# Allegro board OE19_pdb_1v01_b_0704_1000_customer.brd
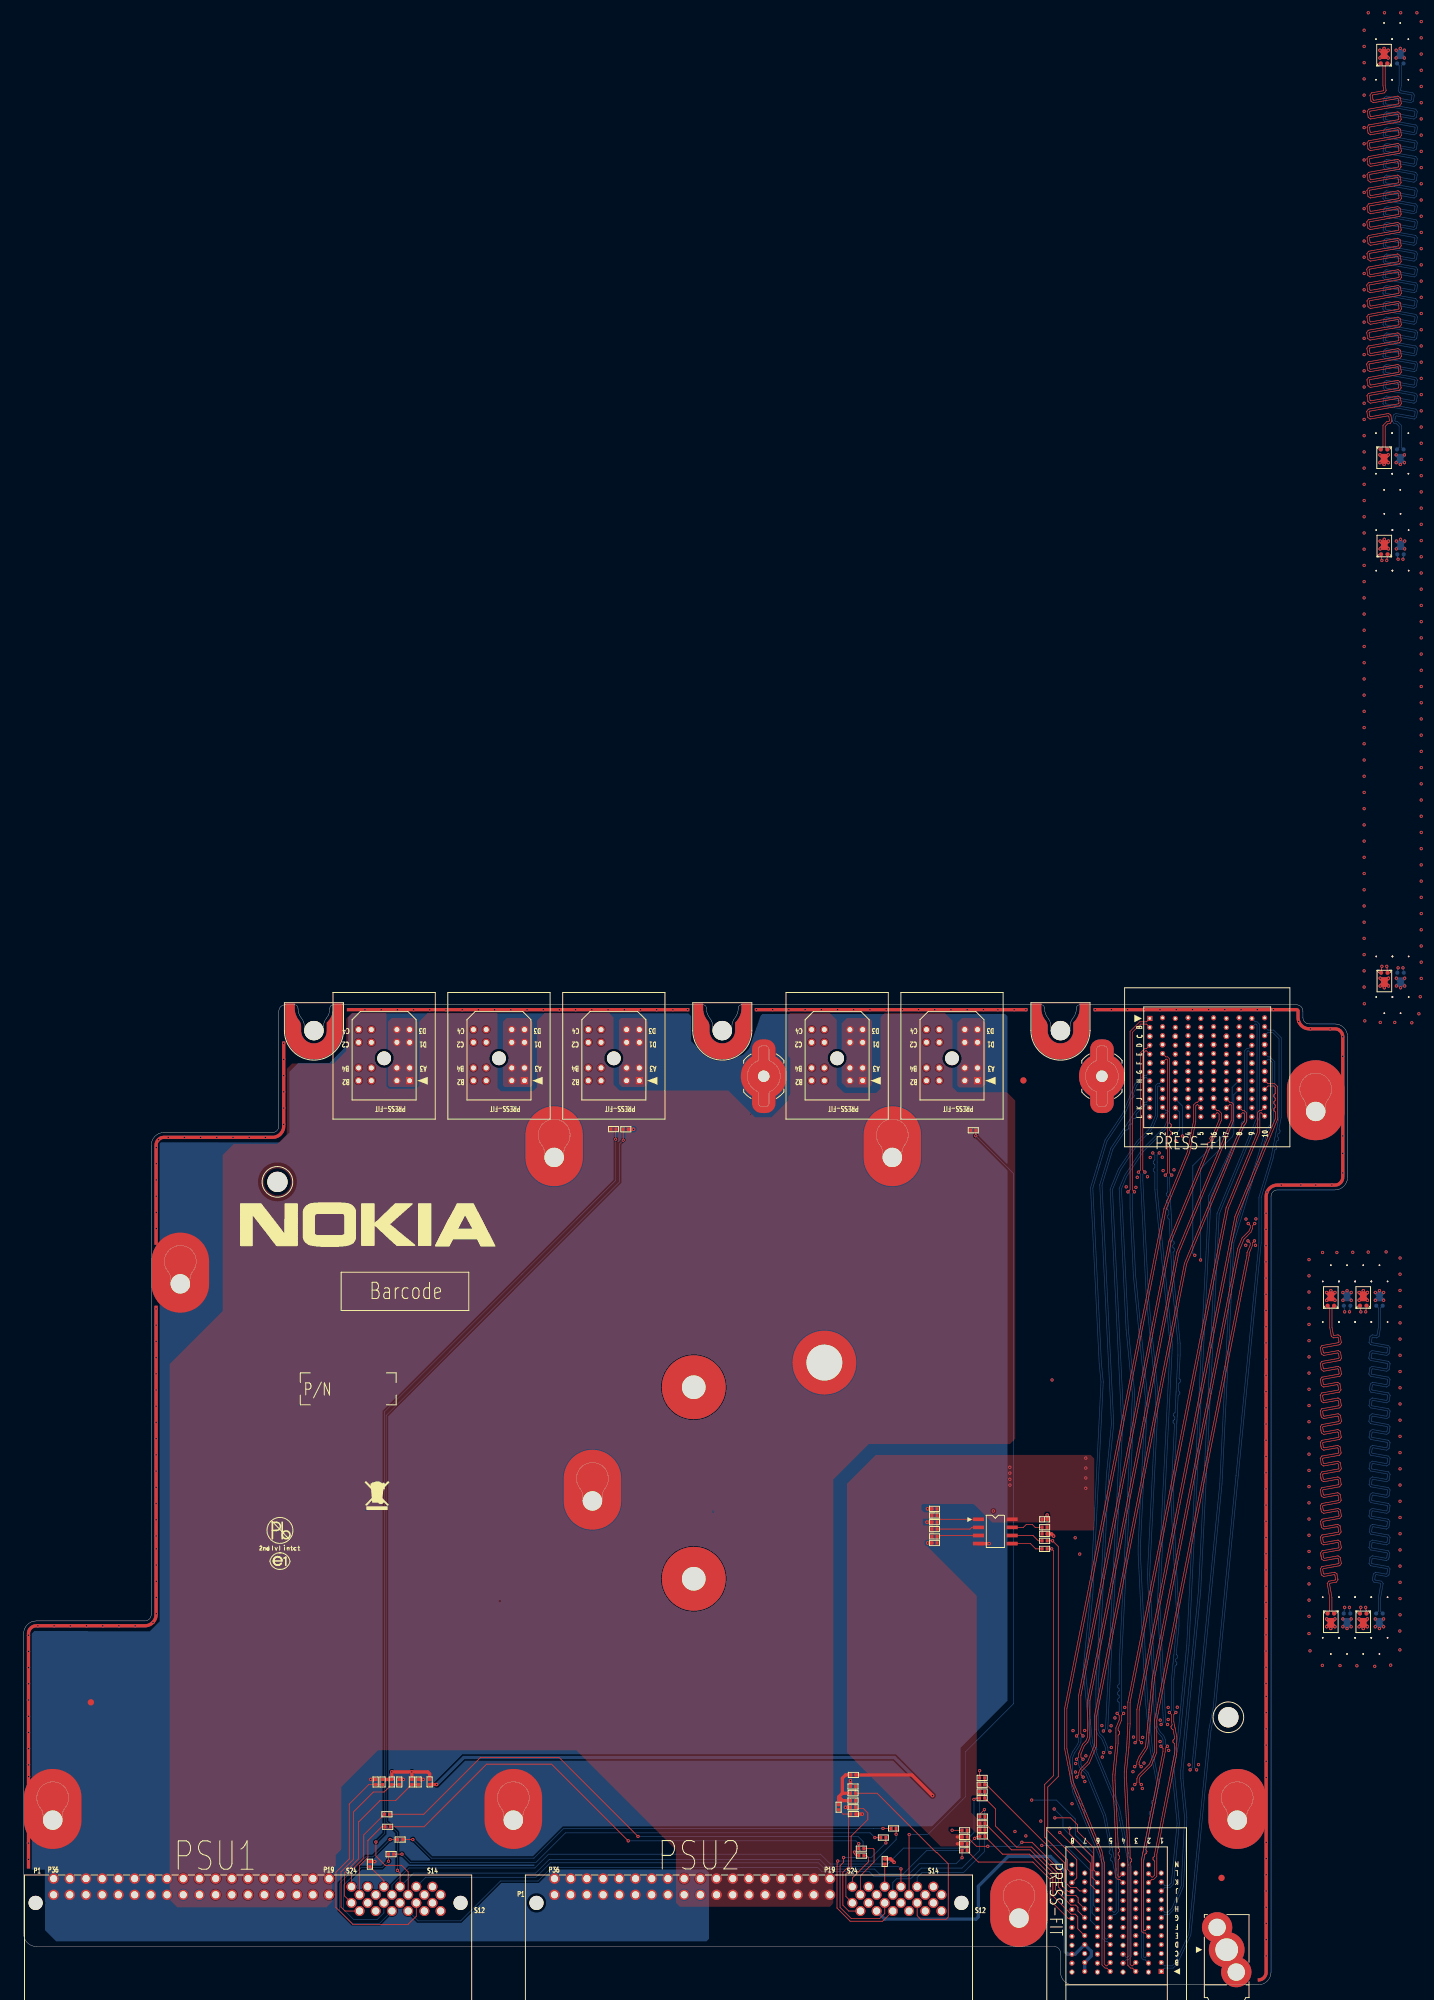
[diagram p0: board, top side]
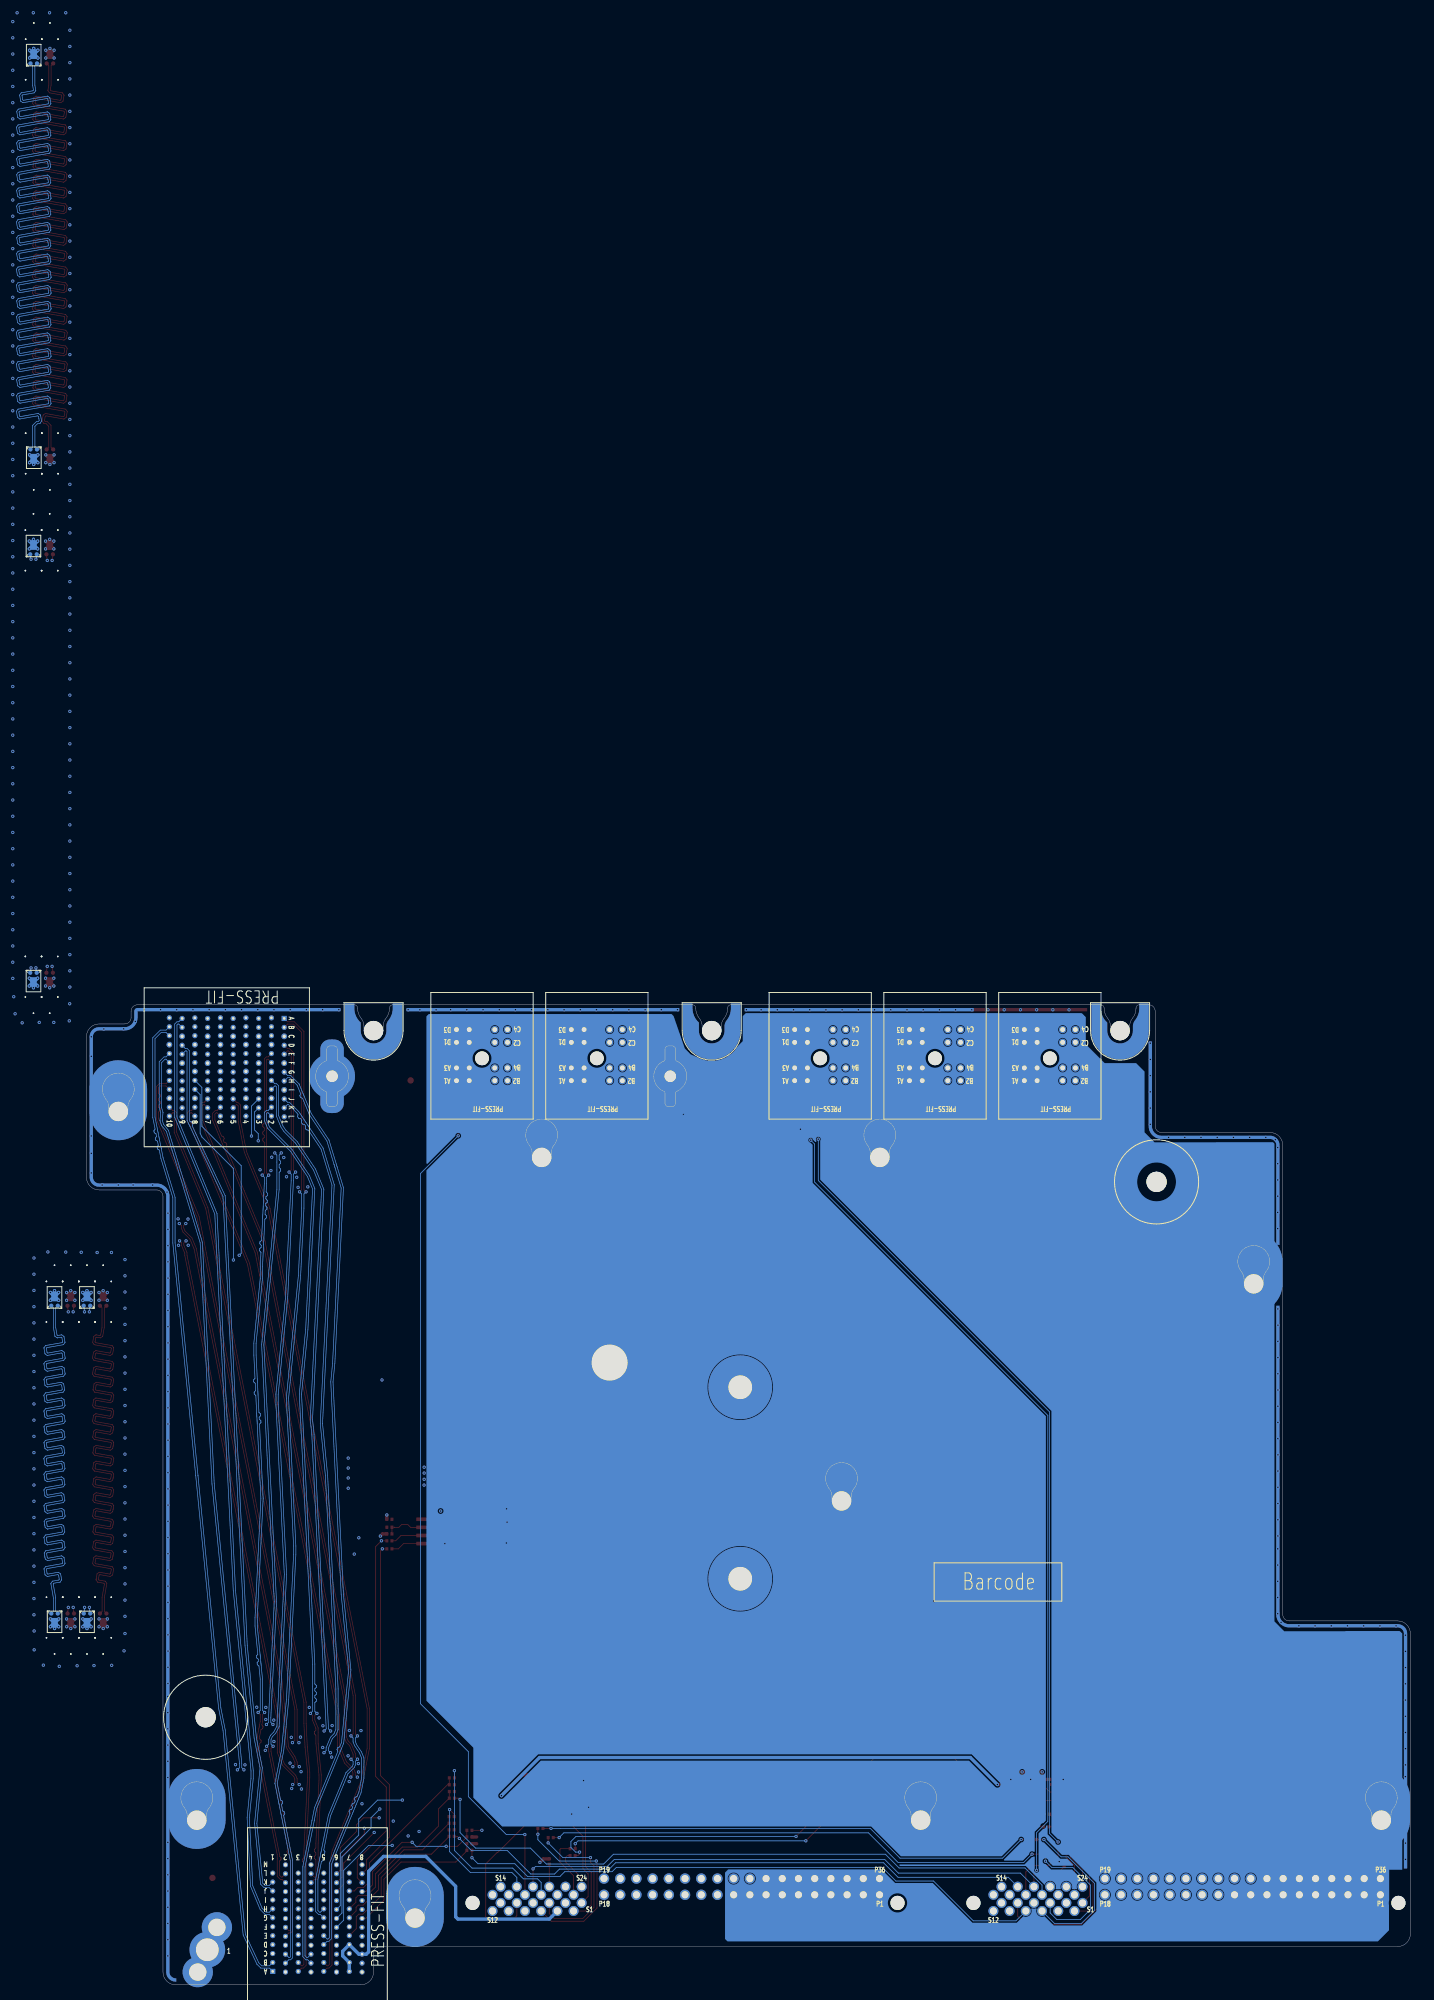
[diagram p1: board, bottom side, seen from below]

Outline 207.5 x 153.5 mm; copper layers: TOP, GND, IN1, VCC, VCC1, IN2, GND1, BOTTOM. Coordinates in mm from the lower left corner of the outline.
Outline path: 0,55 0,8 arc(0.59,6.59) 2,6 161.5,6 arc(162.21,5.71) 162.5,5 162.5,2 arc(163.09,0.59) 164.5,0 193.5,0 arc(194.91,0.59) 195.5,2 195.5,123.5 arc(195.79,124.21) 196.5,124.5 205.5,124.5 arc(206.91,125.09) 207.5,126.5 207.5,148.5 arc(206.91,149.91) 205.5,150.5 201.5,150.5 arc(200.79,150.79) 200.5,151.5 200.5,152.5 arc(200.21,153.21) 199.5,153.5 165.5,153.5 arc(165.15,153.35) 165,153 165,152.96 arc(164.86,152.13) 164.44,151.39 arc(164.11,150.8) 164,150.13 164,149.46 arc(162.5,147.96) 161,149.46 161,150.13 arc(160.89,150.8) 160.56,151.39 arc(160.14,152.13) 160,152.96 160,153 arc(159.85,153.35) 159.5,153.5 112.5,153.5 arc(112.15,153.35) 112,153 112,152.96 arc(111.86,152.13) 111.44,151.39 arc(111.11,150.8) 111,150.13 111,149.46 arc(109.5,147.96) 108,149.46 108,150.13 arc(107.89,150.8) 107.56,151.39 arc(107.14,152.13) 107,152.96 107,153 arc(106.85,153.35) 106.5,153.5 48.5,153.5 arc(48.15,153.35) 48,153 48,152.96 arc(47.86,152.13) 47.44,151.39 arc(47.11,150.8) 47,150.13 47,149.46 arc(45.5,147.96) 44,149.46 44,150.13 arc(43.89,150.8) 43.56,151.39 arc(43.14,152.13) 43,152.96 43,153 arc(42.85,153.35) 42.5,153.5 41,153.5 arc(40.29,153.21) 40,152.5 40,134.5 arc(39.71,133.79) 39,133.5 22,133.5 arc(20.59,132.91) 20,131.5 20,58 arc(19.71,57.29) 19,57 2,57 arc(0.59,56.41) 0,55 ; 2.62,27.73 arc(2.95,27.14) 3.06,26.47 3.06,25.8 arc(4.56,24.3) 6.06,25.8 6.06,26.47 arc(6.17,27.14) 6.5,27.73 arc(4.56,31.8) 2.62,27.73 ; 22.62,111.73 arc(22.95,111.14) 23.06,110.47 23.06,109.8 arc(24.56,108.3) 26.06,109.8 26.06,110.47 arc(26.17,111.14) 26.5,111.73 arc(24.56,115.8) 22.62,111.73 ; 74.81,27.73 arc(75.14,27.14) 75.25,26.47 75.25,25.8 arc(76.75,24.3) 78.25,25.8 78.25,26.47 arc(78.36,27.14) 78.69,27.73 arc(76.75,31.8) 74.81,27.73 ; 81.21,131.53 arc(81.54,130.94) 81.65,130.27 81.65,129.6 arc(83.15,128.1) 84.65,129.6 84.65,130.27 arc(84.76,130.94) 85.09,131.53 arc(83.15,135.6) 81.21,131.53 ; 87.21,77.73 arc(87.54,77.14) 87.65,76.47 87.65,75.8 arc(89.15,74.3) 90.65,75.8 90.65,76.47 arc(90.76,77.14) 91.09,77.73 arc(89.15,81.8) 87.21,77.73 ; 115.05,139.91 arc(113.42,142.31) 115.05,144.71 arc(115.15,144.78) 115.18,144.9 115.18,146.56 arc(115.33,146.91) 115.68,147.06 116.32,147.06 arc(116.67,146.91) 116.82,146.56 116.82,144.9 arc(116.85,144.78) 116.95,144.71 arc(118.58,142.31) 116.95,139.91 arc(116.85,139.84) 116.82,139.72 116.82,138.06 arc(116.67,137.71) 116.32,137.56 115.68,137.56 arc(115.33,137.71) 115.18,138.06 115.18,139.72 arc(115.15,139.84) 115.05,139.91 ; 134.21,131.53 arc(134.54,130.94) 134.65,130.27 134.65,129.6 arc(136.15,128.1) 137.65,129.6 137.65,130.27 arc(137.76,130.94) 138.09,131.53 arc(136.15,135.6) 134.21,131.53 ; 154.06,12.39 arc(154.39,11.8) 154.5,11.13 154.5,10.46 arc(156,8.96) 157.5,10.46 157.5,11.13 arc(157.61,11.8) 157.94,12.39 arc(156,16.46) 154.06,12.39 ; 168.05,139.91 arc(166.42,142.31) 168.05,144.71 arc(168.15,144.78) 168.18,144.9 168.18,146.56 arc(168.33,146.91) 168.68,147.06 169.32,147.06 arc(169.67,146.91) 169.82,146.56 169.82,144.9 arc(169.85,144.78) 169.95,144.71 arc(171.58,142.31) 169.95,139.91 arc(169.85,139.84) 169.82,139.72 169.82,138.06 arc(169.67,137.71) 169.32,137.56 168.68,137.56 arc(168.33,137.71) 168.18,138.06 168.18,139.72 arc(168.15,139.84) 168.05,139.91 ; 188.26,27.73 arc(188.59,27.14) 188.7,26.47 188.7,25.8 arc(190.2,24.3) 191.7,25.8 191.7,26.47 arc(191.81,27.14) 192.14,27.73 arc(190.2,31.8) 188.26,27.73 ; 200.56,138.73 arc(200.89,138.14) 201,137.47 201,136.8 arc(202.5,135.3) 204,136.8 204,137.47 arc(204.11,138.14) 204.44,138.73 arc(202.5,142.8) 200.56,138.73

## Design rules (mm)
net group FRU_A2: nets FRU_A2 FRU_WP
net group SMB_PMBUS_SCL: nets SMB_PSU1_SCL SMB_PSU2_SCL
net group SMB_PMBUS_SDA: nets SMB_PSU1_SDA SMB_PSU2_SDA
net group SMB_PDB_FRU_SCL: nets SMB_PDB_FRU_SCL
net group SMB_PDB_FRU_SDA: nets SMB_PDB_FRU_SDA

## Placement (name value [footprint] x y rotation side)
C1046  0.1UF  [C0402]  160.02 72.91 0 top
DM2  -  [WEEE]  53.71 74.37 0 top
DM3  -  [PB-E1_SMALL]  40.18 71.17 0 top
DM4  -  [PNLABEL_15X5]  43.37 90.85 0 top
DM6  -  [PCB_VENDOR_LOGO_15X8]  108.07 74.12 0 top
DM7  -  [BARCODE_20X6]  74.63 60.1 180 bottom
DM8  -  [BARCODE_20X6]  49.77 105.61 0 top
H1  -  [HOLE_C9D3_5B9_OB3-5XC4-5_NPM_SPD]  202.5 136.8 180 top
H2  -  [HOLE_C9D3_5B9_OB3-5XC4-5_NPM_SPD]  136.15 129.6 180 top
H3  -  [HOLE_C9D3_5B9_OB3-5XC4-5_NPM_SPD]  83.15 129.6 180 top
H4  -  [HOLE_C9D3_5B9_OB3-5XC4-5_NPM_SPD]  156 10.46 180 top
H5  -  [HOLE_C9D3_5B9_OB3-5XC4-5_NPM_SPD]  89.15 75.8 180 top
H6  -  [HOLE_C9D3_5B9_OB3-5XC4-5_NPM_SPD]  76.75 25.8 180 top
H7  -  [HOLE_C9D3_5B9_OB3-5XC4-5_NPM_SPD]  4.56 25.8 180 top
H8  -  [HOLE_C9D3_5B9_OB3-5XC4-5_NPM_SPD]  24.56 109.8 180 top
H9  -  [HOLE_C10D5-6B10_NPB]  125.5 97.46 0 top
H10  -  [HOLE_C10D3-7B10_NPB]  105.03 93.6 0 top
H11  -  [HOLE_C10D3-7B10_NPB]  105.03 63.6 0 top
H12  -  [HOLE_C9D3B9N_CUTA_NPMXA]  162.5 149.46 180 top
H13  -  [HOLE_C9D3B9N_CUTA_NPMXA]  109.5 149.46 180 top
H14  -  [HOLE_C9D3B9N_CUTA_NPMXA]  45.5 149.46 180 top
H15  -  [HOLE_C9D3_5B9_OB3-5XC4-5_NPM_SPD]  190.2 25.8 180 top
H16  -  [HOLE_TOOLINGD125N_T2-0]  188.81 41.91 0 top
H17  -  [HOLE_TOOLINGD125N_T2-0]  39.78 125.76 0 top
J1  -  [HSD_F120D10_P2W1-4_RDH]  176.5 151.36 90 top
J2  -  [CON_PWR4X4H]  149.5 141.61 180 top
J3  -  [CON_PWR4X4H]  131.5 141.61 180 top
J4  -  [CON_PWR4X4H]  96.5 141.61 180 top
J5  -  [CON_PWR4X4H]  78.5 141.61 180 top
J6  -  [CON_GUIDE-M1XE]  116 142.31 0 top
J7  -  [CON_GUIDE-M1XE]  169 142.31 0 top
J8  -  [CON_GUIDE-M3XB]  188.55 5.5 0 top
J9  -  [HSD_F96D8H4D_P2W1-4_RDH]  178.3 2.1 180 top
J10  -  [CON_PWR4X4H]  60.5 141.62 180 top
J12  -  [TRIANG_LAUNCH_3PXA]  212.49 56.86 180 bottom
J13  -  [TRIANG_LAUNCH_3PXA]  209.95 56.86 0 top
J14  -  [TRIANG_LAUNCH_3PXA]  204.87 56.86 0 top
J15  -  [TRIANG_LAUNCH_3PXA]  207.41 56.86 180 bottom
J18  -  [TRIANG_LAUNCH_3PXA]  212.5 107.67 0 bottom
J19  -  [TRIANG_LAUNCH_3PXA]  209.95 107.67 180 top
J20  -  [TRIANG_LAUNCH_3PXA]  204.87 107.67 180 top
J21  -  [TRIANG_LAUNCH_3PXA]  207.42 107.67 0 bottom
J24  -  [TRIANG_LAUNCH_3PXA]  215.76 302.24 0 bottom
J25  -  [TRIANG_LAUNCH_3PXA]  213.25 225.35 180 top
J26  -  [TRIANG_LAUNCH_3PXA]  213.22 239.18 0 top
J27  -  [TRIANG_LAUNCH_3PXA]  215.8 225.35 0 bottom
J30  -  [TRIANG_LAUNCH_3PXA]  215.75 239.18 180 bottom
J31  -  [TRIANG_LAUNCH_3PXA]  213.26 157.22 0 top
J32  -  [TRIANG_LAUNCH_3PXA]  213.21 302.24 180 top
J33  -  [TRIANG_LAUNCH_3PXA]  215.79 157.22 180 bottom
JP1  -  [CON_F60D4H2D_P1-27W1-27_LDV]  51.38 12.83 270 top
JP2  -  [CON_F60D4H2D_P1-27W1-27_LDV]  129.88 12.83 270 top
NOREF  -  []  -178.5 93.71 90 top
NOREF#2  -  []  -1 76.52 90 top
NOREF#3  -  []  -199.5 0 0 top
NOREF#4  -  []  -197.49 44.96 90 top
NOREF#5  -  []  208.5 207.15 270 top
NOREF#6  -  []  24.56 109.8 0 top
NOREF#7  -  []  -1 20.59 90 top
NOREF#8  -  []  -1 93.84 90 top
NOREF#9  -  []  -198.5 93.84 90 top
NOREF#10  -  []  11 298.38 270 top
NOREF#11  -  []  -1 111.83 90 top
NOREF#12  -  []  -177.86 164.48 0 top
NOREF#13  -  []  -198.5 111.83 90 top
NOREF#14  -  []  5.1 195.48 180 top
NOREF#15  -  []  -178.5 111.74 90 top
NOREF#16  -  []  -198.5 33.49 90 top
NOREF#17  -  []  180.72 184.48 0 top
NOREF#18  -  []  -9 242.54 270 top
NOREF#19  -  [unnamed#2]  187.74 16.75 0 top
NOREF#20  -  []  -127.06 164.48 0 top
NOREF#21  -  []  11 242.46 270 top
NOREF#22  -  []  24.56 109.8 0 top
NOREF#23  -  []  -207.5 316.98 0 top
NOREF#24  -  []  -188.34 58 0 top
NOREF#25  -  []  -198.5 137.23 90 top
NOREF#26  -  []  197.5 0 0 top
NOREF#27  -  []  193.5 0 90 top
NOREF#28  -  []  -178.5 126.16 90 top
NOREF#29  -  []  -186.5 280.34 90 top
NOREF#30  -  []  156 10.46 0 top
NOREF#31  -  []  181.65 164.48 180 top
NOREF#32  -  []  196.5 87.29 270 top
NOREF#33  -  []  116 142.31 0 top
NOREF#34  -  []  202.5 136.8 0 top
NOREF#35  -  []  75.18 154.5 180 top
NOREF#36  -  []  208.5 131.69 270 top
NOREF#37  -  []  188.5 192.81 270 top
NOREF#38  -  []  -180.82 436.99 0 top
NOREF#39  -  []  83.15 129.6 0 top
NOREF#40  -  []  128.52 154.5 180 top
NOREF#41  -  []  162.5 149.46 0 top
NOREF#42  -  []  31.91 154.5 180 top
NOREF#43  -  []  217.53 0 90 top
NOREF#44  -  []  188.5 242.54 270 top
NOREF#45  -  []  0 8 0 top
NOREF#46  -  []  196.5 36.16 270 top
NOREF#47  -  []  11 207.15 270 top
NOREF#48  -  []  11 143.47 90 top
NOREF#49  -  []  208.5 225.14 270 top
NOREF#50  -  []  418.27 256.36 0 top
NOREF#51  -  []  188.55 5.5 0 top
NOREF#52  -  []  19 93.71 90 top
NOREF#53  -  []  188.55 5.5 0 top
NOREF#54  -  []  -12.76 164.48 0 top
NOREF#55  -  []  -186.5 254.94 90 top
NOREF#56  -  []  9.16 58 0 top
NOREF#57  -  []  208.5 242.46 270 top
NOREF#58  -  []  196.5 64.93 270 top
NOREF#59  -  []  -67.63 154.5 180 top
NOREF#60  -  []  202.5 136.8 0 top
NOREF#61  -  []  27.22 134.5 0 top
NOREF#62  -  []  190.2 25.8 0 top
NOREF#63  -  []  196.5 109.1 270 top
NOREF#64  -  []  208.5 278.47 270 top
NOREF#65  -  []  0.84 260.98 180 top
NOREF#66  -  []  121.86 164.48 0 top
NOREF#67  -  []  136.15 129.6 0 top
NOREF#68  -  []  4.56 25.8 0 top
NOREF#69  -  []  -14.75 184.48 180 top
NOREF#70  -  []  169 142.31 0 top
NOREF#71  -  [unnamed#2]  10.54 44.25 0 top
NOREF#72  -  []  188.5 207.23 270 top
NOREF#73  -  []  45.5 149.46 0 top
NOREF#74  -  []  -9 207.23 270 top
NOREF#75  -  []  -187.83 154.5 0 top
NOREF#76  -  []  -186.5 204.14 90 top
NOREF#77  -  []  -1 173.2 90 top
NOREF#78  -  []  -170.72 134.5 180 top
NOREF#79  -  []  -198.5 76.52 90 top
NOREF#80  -  []  0 0 0 top
NOREF#81  -  []  25.34 164.48 0 top
NOREF#82  -  []  209.5 318.98 0 top
NOREF#83  -  []  4.56 25.8 0 top
NOREF#84  -  []  109.5 149.46 0 top
NOREF#85  -  []  -12.76 164.48 0 top
NOREF#86  -  []  156 10.46 0 top
NOREF#87  -  []  190.2 25.8 0 top
NOREF#88  -  []  -186.5 229.54 90 top
NOREF#89  -  [unnamed#2]  156.69 141.66 0 top
NOREF#90  -  []  -171.65 154.5 0 top
NOREF#91  -  []  169 142.31 0 top
NOREF#92  -  []  76.75 25.8 0 top
NOREF#93  -  []  -9 225.26 270 top
NOREF#94  -  []  -187.5 318.98 0 top
NOREF#95  -  []  188.5 225.26 270 top
NOREF#96  -  []  83.15 129.6 0 top
NOREF#97  -  []  45.5 149.46 0 top
NOREF#98  -  []  116 142.31 0 top
NOREF#99  -  []  19.31 154.5 180 top
NOREF#100  -  []  19 111.74 90 top
NOREF#101  -  []  -178.5 76.44 90 top
NOREF#102  -  []  71.06 164.48 0 top
NOREF#103  -  []  198.34 260.98 180 top
NOREF#104  -  []  136.15 129.6 0 top
NOREF#105  -  []  89.15 75.8 0 top
NOREF#106  -  []  197.83 164.48 180 top
NOREF#107  -  []  -1 45.13 90 top
NOREF#108  -  []  19 76.44 90 top
NOREF#109  -  []  -197.86 27.86 90 top
NOREF#110  -  []  162.5 149.46 0 top
NOREF#111  -  []  0 0 0 top
NOREF#112  -  []  -63.56 164.48 0 top
NOREF#113  -  []  11 225.14 270 top
NOREF#114  -  []  208.5 181.75 270 top
NOREF#115  -  []  109.5 149.46 0 top
NOREF#116  -  []  76.75 25.8 0 top
NOREF#117  -  []  11 273.84 270 top
NOREF#118  -  []  180.44 154.5 180 top
NOREF#119  -  []  -120.98 154.5 180 top
NOREF#120  -  []  4.9 123.5 0 top
NOREF#121  -  []  89.15 75.8 0 top
NOREF#122  -  []  -15.71 154.5 180 top
NOREF#123  -  []  -198.5 46.85 90 top
NOREF#124  -  []  -29 174.31 270 top
R1  4.7K  [R0402]  127.73 27.82 270 top
R2  0  [R0402]  63.63 31.78 90 top
R3  4.7K  [R0402]  129.99 30.01 0 top
R4  0  [R0402]  130.04 32.87 180 top
R5  0  [R0402]  59.01 22.76 180 top
R6  0  [R0402]  134.74 23.07 0 top
R7  0  [R0402]  136.34 24.5 0 top
R8  0  [R0402]  57.07 24.75 0 top
R9  0  [R0402]  56.94 26.72 0 top
R10  0  [R0402]  131.29 21.33 180 top
R11  0  [R0402]  131.3 20.24 180 top
R12  0  [R0402]  150.23 29.24 0 top
R13  4.7K  [R0402]  57.7 31.77 270 top
R14  0  [R0402]  150.23 32.41 0 top
R15  4.7K  [R0402]  56.25 31.77 270 top
R16  0  [R0402]  150.26 23.26 0 top
R17  0  [R0402]  150.26 26.35 0 top
R18  0  [R0402]  147.47 21.07 0 top
R19  0  [R0402]  147.47 24.21 0 top
R21  1K  [R0402]  58.88 31.77 90 top
R23  4.7K  [R0402]  129.99 28.85 0 top
R24  1K  [R0402]  55.17 31.77 90 top
R25  1K  [R0402]  130 27.81 180 top
R26  0  [R0402]  92.44 134.03 0 top
R27  0  [R0402]  148.83 133.85 0 top
R28  4.7K  [R0402]  150.23 30.27 0 top
R29  4.7K  [R0402]  150.26 24.27 0 top
R30  4.7K  [R0402]  150.23 31.34 0 top
R31  4.7K  [R0402]  150.26 25.31 0 top
R32  0  [R0402]  94.38 134.01 0 top
R33  4.7K  [R0402]  147.47 22.1 0 top
R35  4.7K  [R0402]  147.47 23.16 0 top
R37  1K  [R0402]  130.04 26.74 0 top
R38  0  [R0402]  57.59 20.47 180 top
R39  1K  [R0402]  54.27 18.9 90 top
R40  1K  [R0402]  129.99 31.06 180 top
R41  1K  [R0402]  134.96 19.33 90 top
R324  100  [R0402]  142.75 69.2 180 top
R1112  4.7K  [R0402]  142.75 70.24 0 top
R1115  4.7K  [R0402]  142.75 71.38 0 top
R1116  100  [R0402]  142.75 72.46 180 top
R1118  4.7K  [R0402]  142.75 73.5 0 top
R1119  100  [R0402]  142.75 74.55 180 top
R1120  4.7K  [R0402]  160.02 71.67 180 top
R1121  100  [R0402]  160.02 70.63 0 top
R1126  33.2  [R0402]  160.02 69.55 0 top
R1127  33.2  [R0402]  160.02 68.29 0 top
R2297  4.7K  [R0402]  60.84 31.77 270 top
R2298  1K  [R0402]  61.91 31.77 90 top
U32  -  [SOIC8]  152.29 71.01 0 top

## Library data of the parts
C1046 = Q_CAP: alternate symbols: (C0402_OCTAGONXA); part number: Q_CAP_0402-0.1UF,25V,10%,X7R,CH4104K1B00; tolerance: 10%; signal model: DEFAULT_CAPACITOR_100000pF_2_1
DM2 = DUMMY_SYMBOL: part number: DUMMY_SYMBOL-WEEE,MECH,EMPTY,DUMMY2
DM3 = DUMMY_SYMBOL: part number: DUMMY_SYMBOL-PB-E1_SMALL,MECH,EMPTY,DUMMY3
DM4 = DUMMY_SYMBOL: part number: DUMMY_SYMBOL-PCBA_LABEL_15X5,MECH,MECH,DUMMY4
DM6 = DUMMY_SYMBOL: part number: DUMMY_SYMBOL-PCB_VENDOR_LOGO_15X8,MECH,EMPTY,DUMMY7
DM7 DM8 = DUMMY_SYMBOL: part number: DUMMY_SYMBOL-BARCODE_20X6,MECH,MECH,DUMMY15
H1-H8 H15 = HOLE: part number: HOLE_TH-EMPTY,HOLE1087
H9 = HOLE: part number: HOLE_TH-EMPTY,HOLE596
H10 H11 = HOLE: part number: HOLE_TH-EMPTY,HOLE974
H12-H14 = HOLE: part number: HOLE_TH-EMPTY,HOLE1057
H16 H17 = HOLE: part number: HOLE_TH-EMPTY,DUMMY50
J1 = CONN120_10130669102LF: part number: CONN120_10130669102LF-CONN120_10130669-102LF,THLF,IO,DFHSC0FS053
J2-J5 J10 = CONN16_100289164455P00LF: part number: CONN16_100289164455P00LF-CONN16_100289164455P00LF,THLF,IO,DFHS16FS012
J6 J7 = CONN1_D11402200000Z1: part number: CONN1_D11402200000Z1-CONN1_D11402-200000-Z1,THLF,EMPTY,DFHD01MS073
J8 = CONN3_D1141500000AZ1: part number: CONN3_D1141500000AZ1-CONN3_D11415-00000A-Z1,THLF,EMPTY,DFHD01MR025
J9 = CONN96_10133027101LF: part number: CONN96_10133027101LF-CONN96_10133027-101LF,THLF,IO,DFHS96FR004
J12-J15 J18-J21 J24-J27 J30-J33 = DELTA_L: part number: DELTA_L-DELTA-L,THLF,EMPTY,TP24
JP1 JP2 = CONN60_10147746001QLF: part number: CONN60_10147746001QLF-CONN60_10147746-001QLF,THLF,IO,DFHS24FR155
R1 R3 R13 R15 R23 R29 R31 R2297 = Q_RES: alternate symbols: (SMR0402AW); part number: Q_RES_0402LF-4.7K,1%,1/16W,EMPTY,CS24702FB10; tolerance: 1%
R2 R4 = Q_RES: alternate symbols: (SMR0402AW); part number: Q_RES_0402LF-0,5%,1/16W,EMPTY,CS00002JB38; tolerance: 5%
R5-R7 R12 R14 R16-R19 R26 R27 R32 R38 = Q_RES: alternate symbols: (SMR0402AW); part number: Q_RES_0402LF-0,5%,1/16W,CHIP,CS00002JB38; tolerance: 5%
R8-R11 = Q_RES: alternate symbols: (SMR0402AW); part number: Q_RES_0402LF-0,5%,1/16W,CHIP,CS00002JB38; tolerance: 5%; signal model: Q_RES_0402LF-0_5%_1/16W_CHIP_CA_0
R21 R24 R37 R39-R41 R2298 = Q_RES: alternate symbols: (SMR0402AW); part number: Q_RES_0402LF-1K,1%,1/16W,CHIP,TMP_QCS21002FB24; tolerance: 1%
R25 = Q_RES: alternate symbols: (SMR0402AW); part number: Q_RES_0402LF-1K,1%,1/16W,EMPTY,TMP_QCS21002FB24; tolerance: 1%
R28 R30 R33 R35 R1115 R1118 = Q_RES: alternate symbols: (SMR0402AW); part number: Q_RES_0402LF-4.7K,1%,1/16W,CHIP,CS24702FB10; tolerance: 1%
R324 R1121 = Q_RES: alternate symbols: (SMR0402AW); part number: Q_RES_0402LF-100,1%,1/16W,CHIP,TMP_QCS11002FB22; tolerance: 1%; signal model: DEFAULT_RESISTOR_100OHM_2_1
R1112 R1120 = Q_RES: alternate symbols: (SMR0402AW); part number: Q_RES_0402LF-4.7K,1%,1/16W,EMPTY,CS24702FB10; tolerance: 1%; signal model: DEFAULT_RESISTOR_4700OHM_2_1
R1116 R1119 = Q_RES: alternate symbols: (SMR0402AW); part number: Q_RES_0402LF-100,1%,1/16W,EMPTY,TMP_QCS11002FB22; tolerance: 1%
R1126 R1127 = Q_RES: alternate symbols: (SMR0402AW); part number: Q_RES_0402LF-33.2,1%,1/16W,CHIP,CS03322FB34; tolerance: 1%; signal model: Q_RES_0402LF-33.2_1%_1/16W_CHIA_33.2
U32 = M24M01RMN6TP: part number: M24M01RMN6TP-M24M01-RMN6TP,SMLF,IC,AKE35ZB0600

## Footprints (pads in the part's own frame, mm; a bottom-side part is the same pattern mirrored in y, then rotated)
BARCODE_20X6
  round 0.102 smd: 1(0,0)
C0402
  rect 0.457x0.508 smd: 1(-0.4,0) 2(0.4,0)
CON_F60D4H2D_P1-27W1-27_LDV
  round 2.21 hole 2.21 unplated: (0,17.1) (0,-49.5)
  round 1.626 hole 1.118: P1(-1.27,-46.68) P2(-1.27,-44.14) P3(-1.27,-41.6) P4(-1.27,-39.06) P5(-1.27,-36.52) P6(-1.27,-33.98) P7(-1.27,-31.44) P8(-1.27,-28.9) P9(-1.27,-26.36) P10(-1.27,-23.82) P11(-1.27,-21.28) P12(-1.27,-18.74) P13(-1.27,-16.2) P14(-1.27,-13.66) P15(-1.27,-11.12) P16(-1.27,-8.58) P17(-1.27,-6.04) P18(-1.27,-3.5) P19(-3.81,-3.5) P20(-3.81,-6.04) P21(-3.81,-8.58) P22(-3.81,-11.12) P23(-3.81,-13.66) P24(-3.81,-16.2) P25(-3.81,-18.74) P26(-3.81,-21.28) P27(-3.81,-23.82) P28(-3.81,-26.36) P29(-3.81,-28.9) P30(-3.81,-31.44) P31(-3.81,-33.98) P32(-3.81,-36.52) P33(-3.81,-39.06) P34(-3.81,-41.6) P35(-3.81,-44.14) P36(-3.81,-46.68)
  round 1.575 hole 1.118: S1(0,0) S2(1.27,1.27) S3(0,2.54) S4(1.27,3.81) S5(0,5.08) S6(1.27,6.35) S7(0,7.62) S8(1.27,8.89) S9(0,10.16) S10(1.27,11.43) S11(0,12.7) S12(1.27,13.97) S13(-1.27,13.97) S14(-2.54,12.7) S15(-1.27,11.43) S16(-2.54,10.16) S17(-1.27,8.89) S18(-2.54,7.62) S19(-1.27,6.35) S20(-2.54,5.08) S21(-1.27,3.81) S22(-2.54,2.54) S23(-1.27,1.27) S24(-2.54,0)
CON_GUIDE-M1XE
  custom 7.192x11.532 hole 5.182: G1(0,0)
CON_GUIDE-M3XB
  round 5.588 hole 3.556: 1(0,0)
  round 4.75 hole 2.718: 2(-1.5,3.5) 3(1.5,-3.5)
CON_PWR4X4H
  round 2.159 hole 2.159 unplated: (4,-3.5)
  rect 1.156x1.156 hole 0.75: A1(0,0)
  round 1.156 hole 0.75: A2(2,0) A3(0,-2) A4(2,-2) B1(6,0) B2(8,0) B3(6,-2) B4(8,-2) C1(6,-6) C2(8,-6) C3(6,-8) C4(8,-8) D1(0,-6) D2(2,-6) D3(0,-8) D4(2,-8)
HOLE_C9D3_5B9_OB3-5XC4-5_NPM_SPD
  oval 9.017x12.522 hole 3.023: 1(0,0)
HOLE_C9D3B9N_CUTA_NPMXA
  round 3.023 hole 3.023 unplated: (0,0)
HOLE_C10D3-7B10_NPB
  round 10.008 hole 3.708: 1(0,0)
HOLE_C10D5-6B10_NPB
  round 10.008 hole 5.613: 1(0,0)
HOLE_TOOLINGD125N_T2-0
  round 3.175 hole 3.175 unplated: (0,0)
HSD_F96D8H4D_P2W1-4_RDH
  rect 0.8x0.8 hole 0.4: A1(0,0)
  round 0.8 hole 0.5: A2(2,0.1) A4(6,0.1) A6(10,0.1) A8(14,0.1) C1(0,-2.8) C3(4,-2.8) C5(8,-2.8) C7(12,-2.8) D2(2,-4.1) D4(6,-4.1) D6(10,-4.1) D8(14,-4.1) F1(0,-7) F3(4,-7) F5(8,-7) F7(12,-7) G2(2,-8.3) G4(6,-8.3) G6(10,-8.3) G8(14,-8.3) I1(0,-11.2) I3(4,-11.2) I5(8,-11.2) I7(12,-11.2) J2(2,-12.5) J4(6,-12.5) J6(10,-12.5) J8(14,-12.5) L1(0,-15.4) L3(4,-15.4) L5(8,-15.4) L7(12,-15.4) M2(2,-16.7) M4(6,-16.7) M6(10,-16.7) M8(14,-16.7)
  round 0.8 hole 0.4: A3(4,0) A5(8,0) A7(12,0) B1(0,-1.4) B2(2,-1.3) B3(4,-1.4) B4(6,-1.3) B5(8,-1.4) B6(10,-1.3) B7(12,-1.4) B8(14,-1.3) C2(2,-2.7) C4(6,-2.7) C6(10,-2.7) C8(14,-2.7) D1(0,-4.2) D3(4,-4.2) D5(8,-4.2) D7(12,-4.2) E1(0,-5.6) E2(2,-5.5) E3(4,-5.6) E4(6,-5.5) E5(8,-5.6) E6(10,-5.5) E7(12,-5.6) E8(14,-5.5) F2(2,-6.9) F4(6,-6.9) F6(10,-6.9) F8(14,-6.9) G1(0,-8.4) G3(4,-8.4) G5(8,-8.4) G7(12,-8.4) H1(0,-9.8) H2(2,-9.7) H3(4,-9.8) H4(6,-9.7) H5(8,-9.8) H6(10,-9.7) H7(12,-9.8) H8(14,-9.7) I2(2,-11.1) I4(6,-11.1) I6(10,-11.1) I8(14,-11.1) J1(0,-12.6) J3(4,-12.6) J5(8,-12.6) J7(12,-12.6) K1(0,-14) K2(2,-13.9) K3(4,-14) K4(6,-13.9) K5(8,-14) K6(10,-13.9) K7(12,-14) K8(14,-13.9) L2(2,-15.3) L4(6,-15.3) L6(10,-15.3) L8(14,-15.3)
HSD_F120D10_P2W1-4_RDH
  rect 0.806x0.806 hole 0.4: A1(0,0)
  round 0.806 hole 0.4: A2(0.1,-2) A3(0,-4) A4(0.1,-6) A5(0,-8) A6(0.1,-10) A7(0,-12) A8(0.1,-14) A9(0,-16) A10(0.1,-18) B1(-1.4,0) B2(-1.3,-2) B3(-1.4,-4) B4(-1.3,-6) B5(-1.4,-8) B6(-1.3,-10) B7(-1.4,-12) B8(-1.3,-14) B9(-1.4,-16) B10(-1.3,-18) C2(-2.7,-2) C4(-2.7,-6) C6(-2.7,-10) C8(-2.7,-14) C10(-2.7,-18) D1(-4.2,0) D3(-4.2,-4) D5(-4.2,-8) D7(-4.2,-12) D9(-4.2,-16) E1(-5.6,0) E2(-5.5,-2) E3(-5.6,-4) E4(-5.5,-6) E5(-5.6,-8) E6(-5.5,-10) E7(-5.6,-12) E8(-5.5,-14) E9(-5.6,-16) E10(-5.5,-18) F2(-6.9,-2) F4(-6.9,-6) F6(-6.9,-10) F8(-6.9,-14) F10(-6.9,-18) G1(-8.4,0) G3(-8.4,-4) G5(-8.4,-8) G7(-8.4,-12) G9(-8.4,-16) H1(-9.8,0) H2(-9.7,-2) H3(-9.8,-4) H4(-9.7,-6) H5(-9.8,-8) H6(-9.7,-10) H7(-9.8,-12) H8(-9.7,-14) H9(-9.8,-16) H10(-9.7,-18) I2(-11.1,-2) I4(-11.1,-6) I6(-11.1,-10) I8(-11.1,-14) I10(-11.1,-18) J1(-12.6,0) J3(-12.6,-4) J5(-12.6,-8) J7(-12.6,-12) J9(-12.6,-16) K1(-14,0) K2(-13.9,-2) K3(-14,-4) K4(-13.9,-6) K5(-14,-8) K6(-13.9,-10) K7(-14,-12) K8(-13.9,-14) K9(-14,-16) K10(-13.9,-18) L1(-15.4,0) L2(-15.3,-2) L3(-15.4,-4) L4(-15.3,-6) L5(-15.4,-8) L6(-15.3,-10) L7(-15.4,-12) L8(-15.3,-14) L9(-15.4,-16) L10(-15.3,-18)
  round 0.906 hole 0.5: C1(-2.8,0) C3(-2.8,-4) C5(-2.8,-8) C7(-2.8,-12) C9(-2.8,-16) D2(-4.1,-2) D4(-4.1,-6) D6(-4.1,-10) D8(-4.1,-14) D10(-4.1,-18) F1(-7,0) F3(-7,-4) F5(-7,-8) F7(-7,-12) F9(-7,-16) G2(-8.3,-2) G4(-8.3,-6) G6(-8.3,-10) G8(-8.3,-14) G10(-8.3,-18) I1(-11.2,0) I3(-11.2,-4) I5(-11.2,-8) I7(-11.2,-12) I9(-11.2,-16) J2(-12.5,-2) J4(-12.5,-6) J6(-12.5,-10) J8(-12.5,-14) J10(-12.5,-18)
PB-E1_SMALL
  round 0.102 smd: 1(0,0)
PCB_VENDOR_LOGO_15X8
  round 0.102 smd: 1(0,0)
PNLABEL_15X5
  round 0.102 smd: 1(0,0)
R0402
  rect 0.457x0.508 smd: 1(-0.4,0) 2(0.4,0)
SOIC8
  rect 1.727x0.559 smd: 1(-2.642,1.905) 2(-2.642,0.635) 3(-2.642,-0.635) 4(-2.642,-1.905) 5(2.642,-1.905) 6(2.642,-0.635) 7(2.642,0.635) 8(2.642,1.905)
TRIANG_LAUNCH_3PXA
  round 0.254 hole 0.991 unplated: (-1.274,3.852) (-1.274,-2.498) (-0.004,-5.038) (1.266,3.852) (1.266,-2.498)
  round 0.66 smd: 1(-0.512,1.301) 2(0.504,1.301)
  rect 0.991x1.499 smd: 3(-0.004,-0.148)
unnamed#2
  round 0.991 smd: 1(0,0)
WEEE
  round 0.102 smd: 1(0,0)
